# KiCad board SparkFun_BMV080_panelized.kicad_pcb
title: SparkFun Particulate Matter Sensor - BMV080; date: 2024-08-20; rev: v01; company: SparkFun Electronics; note: Designed by: Pete Lewis

Outline 160.98 x 132 mm; copper layers: Top, Bottom. Coordinates in mm from the lower left corner of the outline.
Outline path: 0,132 160.98,132 160.98,0 0,0 0,132 ; 6.35,125.65 154.63,125.65 154.63,6.35 6.35,6.35 6.35,125.65 ; 6.85,125.15 30.98,125.15 30.98,112.45 6.85,112.45 6.85,125.15 ; 6.85,111.95 30.98,111.95 30.98,99.25 6.85,99.25 6.85,111.95 ; 6.85,98.75 30.98,98.75 30.98,86.05 6.85,86.05 6.85,98.75 ; 6.85,85.55 30.98,85.55 30.98,72.85 6.85,72.85 6.85,85.55 ; 6.85,72.35 30.98,72.35 30.98,59.65 6.85,59.65 6.85,72.35 ; 6.85,59.15 30.98,59.15 30.98,46.45 6.85,46.45 6.85,59.15 ; 6.85,45.95 30.98,45.95 30.98,33.25 6.85,33.25 6.85,45.95 ; 6.85,32.75 30.98,32.75 30.98,20.05 6.85,20.05 6.85,32.75 ; 6.85,19.55 30.98,19.55 30.98,6.85 6.85,6.85 6.85,19.55 ; 31.48,125.15 55.61,125.15 55.61,112.45 31.48,112.45 31.48,125.15 ; 31.48,111.95 55.61,111.95 55.61,99.25 31.48,99.25 31.48,111.95 ; 31.48,98.75 55.61,98.75 55.61,86.05 31.48,86.05 31.48,98.75 ; 31.48,85.55 55.61,85.55 55.61,72.85 31.48,72.85 31.48,85.55 ; 31.48,72.35 55.61,72.35 55.61,59.65 31.48,59.65 31.48,72.35 ; 31.48,59.15 55.61,59.15 55.61,46.45 31.48,46.45 31.48,59.15 ; 31.48,45.95 55.61,45.95 55.61,33.25 31.48,33.25 31.48,45.95 ; 31.48,32.75 55.61,32.75 55.61,20.05 31.48,20.05 31.48,32.75 ; 31.48,19.55 55.61,19.55 55.61,6.85 31.48,6.85 31.48,19.55 ; 56.11,125.15 80.24,125.15 80.24,112.45 56.11,112.45 56.11,125.15 ; 56.11,111.95 80.24,111.95 80.24,99.25 56.11,99.25 56.11,111.95 ; 56.11,98.75 80.24,98.75 80.24,86.05 56.11,86.05 56.11,98.75 ; 56.11,85.55 80.24,85.55 80.24,72.85 56.11,72.85 56.11,85.55 ; 56.11,72.35 80.24,72.35 80.24,59.65 56.11,59.65 56.11,72.35 ; 56.11,59.15 80.24,59.15 80.24,46.45 56.11,46.45 56.11,59.15 ; 56.11,45.95 80.24,45.95 80.24,33.25 56.11,33.25 56.11,45.95 ; 56.11,32.75 80.24,32.75 80.24,20.05 56.11,20.05 56.11,32.75 ; 56.11,19.55 80.24,19.55 80.24,6.85 56.11,6.85 56.11,19.55 ; 80.74,125.15 104.87,125.15 104.87,112.45 80.74,112.45 80.74,125.15 ; 80.74,111.95 104.87,111.95 104.87,99.25 80.74,99.25 80.74,111.95 ; 80.74,98.75 104.87,98.75 104.87,86.05 80.74,86.05 80.74,98.75 ; 80.74,85.55 104.87,85.55 104.87,72.85 80.74,72.85 80.74,85.55 ; 80.74,72.35 104.87,72.35 104.87,59.65 80.74,59.65 80.74,72.35 ; 80.74,59.15 104.87,59.15 104.87,46.45 80.74,46.45 80.74,59.15 ; 80.74,45.95 104.87,45.95 104.87,33.25 80.74,33.25 80.74,45.95 ; 80.74,32.75 104.87,32.75 104.87,20.05 80.74,20.05 80.74,32.75 ; 80.74,19.55 104.87,19.55 104.87,6.85 80.74,6.85 80.74,19.55 ; 105.37,125.15 129.5,125.15 129.5,112.45 105.37,112.45 105.37,125.15 ; 105.37,111.95 129.5,111.95 129.5,99.25 105.37,99.25 105.37,111.95 ; 105.37,98.75 129.5,98.75 129.5,86.05 105.37,86.05 105.37,98.75 ; 105.37,85.55 129.5,85.55 129.5,72.85 105.37,72.85 105.37,85.55 ; 105.37,72.35 129.5,72.35 129.5,59.65 105.37,59.65 105.37,72.35 ; 105.37,59.15 129.5,59.15 129.5,46.45 105.37,46.45 105.37,59.15 ; 105.37,45.95 129.5,45.95 129.5,33.25 105.37,33.25 105.37,45.95 ; 105.37,32.75 129.5,32.75 129.5,20.05 105.37,20.05 105.37,32.75 ; 105.37,19.55 129.5,19.55 129.5,6.85 105.37,6.85 105.37,19.55 ; 130,125.15 154.13,125.15 154.13,112.45 130,112.45 130,125.15 ; 130,111.95 154.13,111.95 154.13,99.25 130,99.25 130,111.95 ; 130,98.75 154.13,98.75 154.13,86.05 130,86.05 130,98.75 ; 130,85.55 154.13,85.55 154.13,72.85 130,72.85 130,85.55 ; 130,72.35 154.13,72.35 154.13,59.65 130,59.65 130,72.35 ; 130,59.15 154.13,59.15 154.13,46.45 130,46.45 130,59.15 ; 130,45.95 154.13,45.95 154.13,33.25 130,33.25 130,45.95 ; 130,32.75 154.13,32.75 154.13,20.05 130,20.05 130,32.75 ; 130,19.55 154.13,19.55 154.13,6.85 130,6.85 130,19.55
Stack: Top 0.035mm / dielectric 0.73mm FR4 er 4.5 / Bottom 0.035mm

## Placement (name value [footprint] x y rotation side)
C1  2.2uF  [C_0402_1005Metric]  8.15 121.7 90 top
C1#2  2.2uF  [C_0402_1005Metric]  57.41 16.1 90 top
C1#3  2.2uF  [C_0402_1005Metric]  8.15 42.5 90 top
C1#4  2.2uF  [C_0402_1005Metric]  32.78 42.5 90 top
C1#5  2.2uF  [C_0402_1005Metric]  32.78 82.1 90 top
C1#6  2.2uF  [C_0402_1005Metric]  8.15 95.3 90 top
C1#7  2.2uF  [C_0402_1005Metric]  32.78 95.3 90 top
C1#8  2.2uF  [C_0402_1005Metric]  8.15 29.3 90 top
C1#9  2.2uF  [C_0402_1005Metric]  8.15 55.7 90 top
C1#10  2.2uF  [C_0402_1005Metric]  8.15 82.1 90 top
C1#11  2.2uF  [C_0402_1005Metric]  32.78 16.1 90 top
C1#12  2.2uF  [C_0402_1005Metric]  32.78 29.3 90 top
C1#13  2.2uF  [C_0402_1005Metric]  32.78 55.7 90 top
C1#14  2.2uF  [C_0402_1005Metric]  8.15 68.9 90 top
C1#15  2.2uF  [C_0402_1005Metric]  8.15 108.5 90 top
C1#16  2.2uF  [C_0402_1005Metric]  32.78 68.9 90 top
C1#17  2.2uF  [C_0402_1005Metric]  32.78 108.5 90 top
C1#18  2.2uF  [C_0402_1005Metric]  32.78 121.7 90 top
C1#19  2.2uF  [C_0402_1005Metric]  57.41 55.7 90 top
C1#20  2.2uF  [C_0402_1005Metric]  57.41 29.3 90 top
C1#21  2.2uF  [C_0402_1005Metric]  82.04 82.1 90 top
C1#22  2.2uF  [C_0402_1005Metric]  82.04 121.7 90 top
C1#23  2.2uF  [C_0402_1005Metric]  106.67 68.9 90 top
C1#24  2.2uF  [C_0402_1005Metric]  82.04 29.3 90 top
C1#25  2.2uF  [C_0402_1005Metric]  57.41 42.5 90 top
C1#26  2.2uF  [C_0402_1005Metric]  82.04 16.1 90 top
C1#27  2.2uF  [C_0402_1005Metric]  57.41 68.9 90 top
C1#28  2.2uF  [C_0402_1005Metric]  57.41 121.7 90 top
C1#29  2.2uF  [C_0402_1005Metric]  82.04 42.5 90 top
C1#30  2.2uF  [C_0402_1005Metric]  82.04 68.9 90 top
C1#31  2.2uF  [C_0402_1005Metric]  82.04 108.5 90 top
C1#32  2.2uF  [C_0402_1005Metric]  57.41 95.3 90 top
C1#33  2.2uF  [C_0402_1005Metric]  57.41 108.5 90 top
C1#34  2.2uF  [C_0402_1005Metric]  106.67 16.1 90 top
C1#35  2.2uF  [C_0402_1005Metric]  106.67 29.3 90 top
C1#36  2.2uF  [C_0402_1005Metric]  106.67 55.7 90 top
C1#37  2.2uF  [C_0402_1005Metric]  57.41 82.1 90 top
C1#38  2.2uF  [C_0402_1005Metric]  82.04 55.7 90 top
C1#39  2.2uF  [C_0402_1005Metric]  82.04 95.3 90 top
C1#40  2.2uF  [C_0402_1005Metric]  106.67 42.5 90 top
C1#41  2.2uF  [C_0402_1005Metric]  131.3 95.3 90 top
C1#42  2.2uF  [C_0402_1005Metric]  131.3 16.1 90 top
C1#43  2.2uF  [C_0402_1005Metric]  131.3 82.1 90 top
C1#44  2.2uF  [C_0402_1005Metric]  131.3 108.5 90 top
C1#45  2.2uF  [C_0402_1005Metric]  106.67 82.1 90 top
C1#46  2.2uF  [C_0402_1005Metric]  131.3 29.3 90 top
C1#47  2.2uF  [C_0402_1005Metric]  106.67 95.3 90 top
C1#48  2.2uF  [C_0402_1005Metric]  106.67 108.5 90 top
C1#49  2.2uF  [C_0402_1005Metric]  106.67 121.7 90 top
C1#50  2.2uF  [C_0402_1005Metric]  131.3 42.5 90 top
C1#51  2.2uF  [C_0402_1005Metric]  131.3 55.7 90 top
C1#52  2.2uF  [C_0402_1005Metric]  131.3 68.9 90 top
C1#53  2.2uF  [C_0402_1005Metric]  131.3 121.7 90 top
C1#54  2.2uF  [C_0402_1005Metric]  8.15 16.1 90 top
C2  2.2uF  [C_0402_1005Metric]  8.15 13.64 270 top
C2#2  2.2uF  [C_0402_1005Metric]  8.15 26.84 270 top
C2#3  2.2uF  [C_0402_1005Metric]  8.15 40.04 270 top
C2#4  2.2uF  [C_0402_1005Metric]  57.41 13.64 270 top
C2#5  2.2uF  [C_0402_1005Metric]  57.41 40.04 270 top
C2#6  2.2uF  [C_0402_1005Metric]  8.15 79.64 270 top
C2#7  2.2uF  [C_0402_1005Metric]  32.78 66.44 270 top
C2#8  2.2uF  [C_0402_1005Metric]  8.15 53.24 270 top
C2#9  2.2uF  [C_0402_1005Metric]  32.78 79.64 270 top
C2#10  2.2uF  [C_0402_1005Metric]  32.78 92.84 270 top
C2#11  2.2uF  [C_0402_1005Metric]  32.78 13.64 270 top
C2#12  2.2uF  [C_0402_1005Metric]  8.15 66.44 270 top
C2#13  2.2uF  [C_0402_1005Metric]  32.78 119.24 270 top
C2#14  2.2uF  [C_0402_1005Metric]  32.78 53.24 270 top
C2#15  2.2uF  [C_0402_1005Metric]  82.04 66.44 270 top
C2#16  2.2uF  [C_0402_1005Metric]  8.15 119.24 270 top
C2#17  2.2uF  [C_0402_1005Metric]  32.78 106.04 270 top
C2#18  2.2uF  [C_0402_1005Metric]  32.78 26.84 270 top
C2#19  2.2uF  [C_0402_1005Metric]  8.15 106.04 270 top
C2#20  2.2uF  [C_0402_1005Metric]  8.15 92.84 270 top
C2#21  2.2uF  [C_0402_1005Metric]  32.78 40.04 270 top
C2#22  2.2uF  [C_0402_1005Metric]  57.41 26.84 270 top
C2#23  2.2uF  [C_0402_1005Metric]  57.41 66.44 270 top
C2#24  2.2uF  [C_0402_1005Metric]  57.41 92.84 270 top
C2#25  2.2uF  [C_0402_1005Metric]  57.41 119.24 270 top
C2#26  2.2uF  [C_0402_1005Metric]  82.04 26.84 270 top
C2#27  2.2uF  [C_0402_1005Metric]  57.41 53.24 270 top
C2#28  2.2uF  [C_0402_1005Metric]  57.41 106.04 270 top
C2#29  2.2uF  [C_0402_1005Metric]  57.41 79.64 270 top
C2#30  2.2uF  [C_0402_1005Metric]  82.04 40.04 270 top
C2#31  2.2uF  [C_0402_1005Metric]  82.04 13.64 270 top
C2#32  2.2uF  [C_0402_1005Metric]  82.04 53.24 270 top
C2#33  2.2uF  [C_0402_1005Metric]  82.04 92.84 270 top
C2#34  2.2uF  [C_0402_1005Metric]  106.67 79.64 270 top
C2#35  2.2uF  [C_0402_1005Metric]  131.3 26.84 270 top
C2#36  2.2uF  [C_0402_1005Metric]  131.3 53.24 270 top
C2#37  2.2uF  [C_0402_1005Metric]  131.3 92.84 270 top
C2#38  2.2uF  [C_0402_1005Metric]  131.3 119.24 270 top
C2#39  2.2uF  [C_0402_1005Metric]  82.04 119.24 270 top
C2#40  2.2uF  [C_0402_1005Metric]  106.67 106.04 270 top
C2#41  2.2uF  [C_0402_1005Metric]  106.67 66.44 270 top
C2#42  2.2uF  [C_0402_1005Metric]  106.67 13.64 270 top
C2#43  2.2uF  [C_0402_1005Metric]  131.3 13.64 270 top
C2#44  2.2uF  [C_0402_1005Metric]  106.67 119.24 270 top
C2#45  2.2uF  [C_0402_1005Metric]  131.3 66.44 270 top
C2#46  2.2uF  [C_0402_1005Metric]  82.04 106.04 270 top
C2#47  2.2uF  [C_0402_1005Metric]  106.67 40.04 270 top
C2#48  2.2uF  [C_0402_1005Metric]  106.67 53.24 270 top
C2#49  2.2uF  [C_0402_1005Metric]  82.04 79.64 270 top
C2#50  2.2uF  [C_0402_1005Metric]  106.67 26.84 270 top
C2#51  2.2uF  [C_0402_1005Metric]  106.67 92.84 270 top
C2#52  2.2uF  [C_0402_1005Metric]  131.3 40.04 270 top
C2#53  2.2uF  [C_0402_1005Metric]  131.3 79.64 270 top
C2#54  2.2uF  [C_0402_1005Metric]  131.3 106.04 270 top
C3  2.2uF  [C_0402_1005Metric]  14.42 17.9 90 bottom
C3#2  2.2uF  [C_0402_1005Metric]  14.42 57.5 90 bottom
C3#3  2.2uF  [C_0402_1005Metric]  14.42 31.1 90 bottom
C3#4  2.2uF  [C_0402_1005Metric]  14.42 44.3 90 bottom
C3#5  2.2uF  [C_0402_1005Metric]  14.42 110.3 90 bottom
C3#6  2.2uF  [C_0402_1005Metric]  14.42 123.5 90 bottom
C3#7  2.2uF  [C_0402_1005Metric]  39.05 17.9 90 bottom
C3#8  2.2uF  [C_0402_1005Metric]  63.68 70.7 90 bottom
C3#9  2.2uF  [C_0402_1005Metric]  39.05 31.1 90 bottom
C3#10  2.2uF  [C_0402_1005Metric]  14.42 83.9 90 bottom
C3#11  2.2uF  [C_0402_1005Metric]  14.42 97.1 90 bottom
C3#12  2.2uF  [C_0402_1005Metric]  39.05 110.3 90 bottom
C3#13  2.2uF  [C_0402_1005Metric]  39.05 97.1 90 bottom
C3#14  2.2uF  [C_0402_1005Metric]  39.05 44.3 90 bottom
C3#15  2.2uF  [C_0402_1005Metric]  39.05 70.7 90 bottom
C3#16  2.2uF  [C_0402_1005Metric]  39.05 83.9 90 bottom
C3#17  2.2uF  [C_0402_1005Metric]  63.68 17.9 90 bottom
C3#18  2.2uF  [C_0402_1005Metric]  63.68 57.5 90 bottom
C3#19  2.2uF  [C_0402_1005Metric]  63.68 31.1 90 bottom
C3#20  2.2uF  [C_0402_1005Metric]  63.68 83.9 90 bottom
C3#21  2.2uF  [C_0402_1005Metric]  14.42 70.7 90 bottom
C3#22  2.2uF  [C_0402_1005Metric]  39.05 57.5 90 bottom
C3#23  2.2uF  [C_0402_1005Metric]  39.05 123.5 90 bottom
C3#24  2.2uF  [C_0402_1005Metric]  63.68 44.3 90 bottom
C3#25  2.2uF  [C_0402_1005Metric]  88.31 31.1 90 bottom
C3#26  2.2uF  [C_0402_1005Metric]  88.31 110.3 90 bottom
C3#27  2.2uF  [C_0402_1005Metric]  63.68 110.3 90 bottom
C3#28  2.2uF  [C_0402_1005Metric]  88.31 57.5 90 bottom
C3#29  2.2uF  [C_0402_1005Metric]  88.31 70.7 90 bottom
C3#30  2.2uF  [C_0402_1005Metric]  88.31 17.9 90 bottom
C3#31  2.2uF  [C_0402_1005Metric]  63.68 97.1 90 bottom
C3#32  2.2uF  [C_0402_1005Metric]  88.31 83.9 90 bottom
C3#33  2.2uF  [C_0402_1005Metric]  88.31 123.5 90 bottom
C3#34  2.2uF  [C_0402_1005Metric]  112.94 17.9 90 bottom
C3#35  2.2uF  [C_0402_1005Metric]  112.94 31.1 90 bottom
C3#36  2.2uF  [C_0402_1005Metric]  112.94 44.3 90 bottom
C3#37  2.2uF  [C_0402_1005Metric]  112.94 57.5 90 bottom
C3#38  2.2uF  [C_0402_1005Metric]  112.94 70.7 90 bottom
C3#39  2.2uF  [C_0402_1005Metric]  112.94 83.9 90 bottom
C3#40  2.2uF  [C_0402_1005Metric]  63.68 123.5 90 bottom
C3#41  2.2uF  [C_0402_1005Metric]  88.31 44.3 90 bottom
C3#42  2.2uF  [C_0402_1005Metric]  88.31 97.1 90 bottom
C3#43  2.2uF  [C_0402_1005Metric]  112.94 97.1 90 bottom
C3#44  2.2uF  [C_0402_1005Metric]  137.57 44.3 90 bottom
C3#45  2.2uF  [C_0402_1005Metric]  137.57 83.9 90 bottom
C3#46  2.2uF  [C_0402_1005Metric]  112.94 110.3 90 bottom
C3#47  2.2uF  [C_0402_1005Metric]  112.94 123.5 90 bottom
C3#48  2.2uF  [C_0402_1005Metric]  137.57 97.1 90 bottom
C3#49  2.2uF  [C_0402_1005Metric]  137.57 31.1 90 bottom
C3#50  2.2uF  [C_0402_1005Metric]  137.57 17.9 90 bottom
C3#51  2.2uF  [C_0402_1005Metric]  137.57 70.7 90 bottom
C3#52  2.2uF  [C_0402_1005Metric]  137.57 57.5 90 bottom
C3#53  2.2uF  [C_0402_1005Metric]  137.57 110.3 90 bottom
C3#54  2.2uF  [C_0402_1005Metric]  137.57 123.5 90 bottom
C4  2.2uF  [C_0402_1005Metric]  13.36 17.89 90 bottom
C4#2  2.2uF  [C_0402_1005Metric]  37.99 97.09 90 bottom
C4#3  2.2uF  [C_0402_1005Metric]  37.99 123.49 90 bottom
C4#4  2.2uF  [C_0402_1005Metric]  13.36 110.29 90 bottom
C4#5  2.2uF  [C_0402_1005Metric]  37.99 17.89 90 bottom
C4#6  2.2uF  [C_0402_1005Metric]  37.99 57.49 90 bottom
C4#7  2.2uF  [C_0402_1005Metric]  37.99 70.69 90 bottom
C4#8  2.2uF  [C_0402_1005Metric]  13.36 97.09 90 bottom
C4#9  2.2uF  [C_0402_1005Metric]  13.36 123.49 90 bottom
C4#10  2.2uF  [C_0402_1005Metric]  13.36 31.09 90 bottom
C4#11  2.2uF  [C_0402_1005Metric]  37.99 31.09 90 bottom
C4#12  2.2uF  [C_0402_1005Metric]  13.36 57.49 90 bottom
C4#13  2.2uF  [C_0402_1005Metric]  13.36 44.29 90 bottom
C4#14  2.2uF  [C_0402_1005Metric]  13.36 70.69 90 bottom
C4#15  2.2uF  [C_0402_1005Metric]  13.36 83.89 90 bottom
C4#16  2.2uF  [C_0402_1005Metric]  37.99 83.89 90 bottom
C4#17  2.2uF  [C_0402_1005Metric]  37.99 44.29 90 bottom
C4#18  2.2uF  [C_0402_1005Metric]  37.99 110.29 90 bottom
C4#19  2.2uF  [C_0402_1005Metric]  62.62 17.89 90 bottom
C4#20  2.2uF  [C_0402_1005Metric]  62.62 31.09 90 bottom
C4#21  2.2uF  [C_0402_1005Metric]  62.62 44.29 90 bottom
C4#22  2.2uF  [C_0402_1005Metric]  62.62 57.49 90 bottom
C4#23  2.2uF  [C_0402_1005Metric]  62.62 70.69 90 bottom
C4#24  2.2uF  [C_0402_1005Metric]  111.88 57.49 90 bottom
C4#25  2.2uF  [C_0402_1005Metric]  111.88 31.09 90 bottom
C4#26  2.2uF  [C_0402_1005Metric]  62.62 123.49 90 bottom
C4#27  2.2uF  [C_0402_1005Metric]  87.25 57.49 90 bottom
C4#28  2.2uF  [C_0402_1005Metric]  87.25 70.69 90 bottom
C4#29  2.2uF  [C_0402_1005Metric]  62.62 83.89 90 bottom
C4#30  2.2uF  [C_0402_1005Metric]  87.25 123.49 90 bottom
C4#31  2.2uF  [C_0402_1005Metric]  62.62 110.29 90 bottom
C4#32  2.2uF  [C_0402_1005Metric]  87.25 44.29 90 bottom
C4#33  2.2uF  [C_0402_1005Metric]  111.88 44.29 90 bottom
C4#34  2.2uF  [C_0402_1005Metric]  111.88 17.89 90 bottom
C4#35  2.2uF  [C_0402_1005Metric]  62.62 97.09 90 bottom
C4#36  2.2uF  [C_0402_1005Metric]  87.25 17.89 90 bottom
C4#37  2.2uF  [C_0402_1005Metric]  87.25 83.89 90 bottom
C4#38  2.2uF  [C_0402_1005Metric]  87.25 110.29 90 bottom
C4#39  2.2uF  [C_0402_1005Metric]  136.51 70.69 90 bottom
C4#40  2.2uF  [C_0402_1005Metric]  87.25 31.09 90 bottom
C4#41  2.2uF  [C_0402_1005Metric]  87.25 97.09 90 bottom
C4#42  2.2uF  [C_0402_1005Metric]  111.88 97.09 90 bottom
C4#43  2.2uF  [C_0402_1005Metric]  136.51 17.89 90 bottom
C4#44  2.2uF  [C_0402_1005Metric]  111.88 123.49 90 bottom
C4#45  2.2uF  [C_0402_1005Metric]  136.51 57.49 90 bottom
C4#46  2.2uF  [C_0402_1005Metric]  111.88 83.89 90 bottom
C4#47  2.2uF  [C_0402_1005Metric]  136.51 83.89 90 bottom
C4#48  2.2uF  [C_0402_1005Metric]  136.51 44.29 90 bottom
C4#49  2.2uF  [C_0402_1005Metric]  111.88 70.69 90 bottom
C4#50  2.2uF  [C_0402_1005Metric]  111.88 110.29 90 bottom
C4#51  2.2uF  [C_0402_1005Metric]  136.51 31.09 90 bottom
C4#52  2.2uF  [C_0402_1005Metric]  136.51 123.49 90 bottom
C4#53  2.2uF  [C_0402_1005Metric]  136.51 97.09 90 bottom
C4#54  2.2uF  [C_0402_1005Metric]  136.51 110.29 90 bottom
C5  10uF  [C_0603_1608Metric]  15.69 70.24 90 bottom
C5#2  10uF  [C_0603_1608Metric]  114.21 96.64 90 bottom
C5#3  10uF  [C_0603_1608Metric]  15.69 17.44 90 bottom
C5#4  10uF  [C_0603_1608Metric]  15.69 43.84 90 bottom
C5#5  10uF  [C_0603_1608Metric]  15.69 30.64 90 bottom
C5#6  10uF  [C_0603_1608Metric]  15.69 57.04 90 bottom
C5#7  10uF  [C_0603_1608Metric]  40.32 70.24 90 bottom
C5#8  10uF  [C_0603_1608Metric]  40.32 109.84 90 bottom
C5#9  10uF  [C_0603_1608Metric]  40.32 30.64 90 bottom
C5#10  10uF  [C_0603_1608Metric]  15.69 109.84 90 bottom
C5#11  10uF  [C_0603_1608Metric]  15.69 123.04 90 bottom
C5#12  10uF  [C_0603_1608Metric]  40.32 17.44 90 bottom
C5#13  10uF  [C_0603_1608Metric]  15.69 83.44 90 bottom
C5#14  10uF  [C_0603_1608Metric]  40.32 43.84 90 bottom
C5#15  10uF  [C_0603_1608Metric]  15.69 96.64 90 bottom
C5#16  10uF  [C_0603_1608Metric]  40.32 57.04 90 bottom
C5#17  10uF  [C_0603_1608Metric]  40.32 83.44 90 bottom
C5#18  10uF  [C_0603_1608Metric]  40.32 96.64 90 bottom
C5#19  10uF  [C_0603_1608Metric]  64.95 43.84 90 bottom
C5#20  10uF  [C_0603_1608Metric]  64.95 57.04 90 bottom
C5#21  10uF  [C_0603_1608Metric]  89.58 30.64 90 bottom
C5#22  10uF  [C_0603_1608Metric]  40.32 123.04 90 bottom
C5#23  10uF  [C_0603_1608Metric]  64.95 17.44 90 bottom
C5#24  10uF  [C_0603_1608Metric]  64.95 83.44 90 bottom
C5#25  10uF  [C_0603_1608Metric]  64.95 70.24 90 bottom
C5#26  10uF  [C_0603_1608Metric]  64.95 96.64 90 bottom
C5#27  10uF  [C_0603_1608Metric]  64.95 109.84 90 bottom
C5#28  10uF  [C_0603_1608Metric]  89.58 17.44 90 bottom
C5#29  10uF  [C_0603_1608Metric]  64.95 30.64 90 bottom
C5#30  10uF  [C_0603_1608Metric]  64.95 123.04 90 bottom
C5#31  10uF  [C_0603_1608Metric]  114.21 17.44 90 bottom
C5#32  10uF  [C_0603_1608Metric]  114.21 57.04 90 bottom
C5#33  10uF  [C_0603_1608Metric]  89.58 96.64 90 bottom
C5#34  10uF  [C_0603_1608Metric]  89.58 123.04 90 bottom
C5#35  10uF  [C_0603_1608Metric]  89.58 57.04 90 bottom
C5#36  10uF  [C_0603_1608Metric]  89.58 70.24 90 bottom
C5#37  10uF  [C_0603_1608Metric]  114.21 70.24 90 bottom
C5#38  10uF  [C_0603_1608Metric]  114.21 83.44 90 bottom
C5#39  10uF  [C_0603_1608Metric]  114.21 43.84 90 bottom
C5#40  10uF  [C_0603_1608Metric]  114.21 109.84 90 bottom
C5#41  10uF  [C_0603_1608Metric]  138.84 17.44 90 bottom
C5#42  10uF  [C_0603_1608Metric]  89.58 43.84 90 bottom
C5#43  10uF  [C_0603_1608Metric]  114.21 123.04 90 bottom
C5#44  10uF  [C_0603_1608Metric]  138.84 30.64 90 bottom
C5#45  10uF  [C_0603_1608Metric]  89.58 83.44 90 bottom
C5#46  10uF  [C_0603_1608Metric]  89.58 109.84 90 bottom
C5#47  10uF  [C_0603_1608Metric]  138.84 43.84 90 bottom
C5#48  10uF  [C_0603_1608Metric]  114.21 30.64 90 bottom
C5#49  10uF  [C_0603_1608Metric]  138.84 123.04 90 bottom
C5#50  10uF  [C_0603_1608Metric]  138.84 109.84 90 bottom
C5#51  10uF  [C_0603_1608Metric]  138.84 70.24 90 bottom
C5#52  10uF  [C_0603_1608Metric]  138.84 83.44 90 bottom
C5#53  10uF  [C_0603_1608Metric]  138.84 57.04 90 bottom
C5#54  10uF  [C_0603_1608Metric]  138.84 96.64 90 bottom
FID1  Fiducial_0.5mm  [Fiducial_0.5mm_Mask1mm]  7.48 7.48 270 bottom
FID1#2  Fiducial_0.5mm  [Fiducial_0.5mm_Mask1mm]  7.48 86.69 270 bottom
FID1#3  Fiducial_0.5mm  [Fiducial_0.5mm_Mask1mm]  32.11 7.48 270 bottom
FID1#4  Fiducial_0.5mm  [Fiducial_0.5mm_Mask1mm]  32.11 73.48 270 bottom
FID1#5  Fiducial_0.5mm  [Fiducial_0.5mm_Mask1mm]  7.48 73.48 270 bottom
FID1#6  Fiducial_0.5mm  [Fiducial_0.5mm_Mask1mm]  32.11 33.89 270 bottom
FID1#7  Fiducial_0.5mm  [Fiducial_0.5mm_Mask1mm]  32.11 60.28 270 bottom
FID1#8  Fiducial_0.5mm  [Fiducial_0.5mm_Mask1mm]  7.48 99.88 270 bottom
FID1#9  Fiducial_0.5mm  [Fiducial_0.5mm_Mask1mm]  32.11 47.09 270 bottom
FID1#10  Fiducial_0.5mm  [Fiducial_0.5mm_Mask1mm]  7.48 20.69 270 bottom
FID1#11  Fiducial_0.5mm  [Fiducial_0.5mm_Mask1mm]  7.48 33.89 270 bottom
FID1#12  Fiducial_0.5mm  [Fiducial_0.5mm_Mask1mm]  7.48 47.09 270 bottom
FID1#13  Fiducial_0.5mm  [Fiducial_0.5mm_Mask1mm]  7.48 60.28 270 bottom
FID1#14  Fiducial_0.5mm  [Fiducial_0.5mm_Mask1mm]  7.48 113.08 270 bottom
FID1#15  Fiducial_0.5mm  [Fiducial_0.5mm_Mask1mm]  32.11 20.69 270 bottom
FID1#16  Fiducial_0.5mm  [Fiducial_0.5mm_Mask1mm]  56.75 47.09 270 bottom
FID1#17  Fiducial_0.5mm  [Fiducial_0.5mm_Mask1mm]  56.75 113.08 270 bottom
FID1#18  Fiducial_0.5mm  [Fiducial_0.5mm_Mask1mm]  32.11 86.69 270 bottom
FID1#19  Fiducial_0.5mm  [Fiducial_0.5mm_Mask1mm]  56.75 33.89 270 bottom
FID1#20  Fiducial_0.5mm  [Fiducial_0.5mm_Mask1mm]  56.75 60.28 270 bottom
FID1#21  Fiducial_0.5mm  [Fiducial_0.5mm_Mask1mm]  56.75 73.48 270 bottom
FID1#22  Fiducial_0.5mm  [Fiducial_0.5mm_Mask1mm]  56.75 99.88 270 bottom
FID1#23  Fiducial_0.5mm  [Fiducial_0.5mm_Mask1mm]  81.38 73.48 270 bottom
FID1#24  Fiducial_0.5mm  [Fiducial_0.5mm_Mask1mm]  81.38 47.09 270 bottom
FID1#25  Fiducial_0.5mm  [Fiducial_0.5mm_Mask1mm]  56.75 7.48 270 bottom
FID1#26  Fiducial_0.5mm  [Fiducial_0.5mm_Mask1mm]  81.38 86.69 270 bottom
FID1#27  Fiducial_0.5mm  [Fiducial_0.5mm_Mask1mm]  81.38 99.88 270 bottom
FID1#28  Fiducial_0.5mm  [Fiducial_0.5mm_Mask1mm]  32.11 99.88 270 bottom
FID1#29  Fiducial_0.5mm  [Fiducial_0.5mm_Mask1mm]  81.38 33.89 270 bottom
FID1#30  Fiducial_0.5mm  [Fiducial_0.5mm_Mask1mm]  81.38 60.28 270 bottom
FID1#31  Fiducial_0.5mm  [Fiducial_0.5mm_Mask1mm]  32.11 113.08 270 bottom
FID1#32  Fiducial_0.5mm  [Fiducial_0.5mm_Mask1mm]  81.38 7.48 270 bottom
FID1#33  Fiducial_0.5mm  [Fiducial_0.5mm_Mask1mm]  56.75 20.69 270 bottom
FID1#34  Fiducial_0.5mm  [Fiducial_0.5mm_Mask1mm]  56.75 86.69 270 bottom
FID1#35  Fiducial_0.5mm  [Fiducial_0.5mm_Mask1mm]  81.38 20.69 270 bottom
FID1#36  Fiducial_0.5mm  [Fiducial_0.5mm_Mask1mm]  130.63 33.89 270 bottom
FID1#37  Fiducial_0.5mm  [Fiducial_0.5mm_Mask1mm]  106.01 33.89 270 bottom
FID1#38  Fiducial_0.5mm  [Fiducial_0.5mm_Mask1mm]  130.63 7.48 270 bottom
FID1#39  Fiducial_0.5mm  [Fiducial_0.5mm_Mask1mm]  106.01 113.08 270 bottom
FID1#40  Fiducial_0.5mm  [Fiducial_0.5mm_Mask1mm]  81.38 113.08 270 bottom
FID1#41  Fiducial_0.5mm  [Fiducial_0.5mm_Mask1mm]  130.63 73.48 270 bottom
FID1#42  Fiducial_0.5mm  [Fiducial_0.5mm_Mask1mm]  130.63 99.88 270 bottom
FID1#43  Fiducial_0.5mm  [Fiducial_0.5mm_Mask1mm]  106.01 99.88 270 bottom
FID1#44  Fiducial_0.5mm  [Fiducial_0.5mm_Mask1mm]  130.63 86.69 270 bottom
FID1#45  Fiducial_0.5mm  [Fiducial_0.5mm_Mask1mm]  130.63 60.28 270 bottom
FID1#46  Fiducial_0.5mm  [Fiducial_0.5mm_Mask1mm]  130.63 113.08 270 bottom
FID1#47  Fiducial_0.5mm  [Fiducial_0.5mm_Mask1mm]  130.63 20.69 270 bottom
FID1#48  Fiducial_0.5mm  [Fiducial_0.5mm_Mask1mm]  106.01 60.28 270 bottom
FID1#49  Fiducial_0.5mm  [Fiducial_0.5mm_Mask1mm]  106.01 73.48 270 bottom
FID1#50  Fiducial_0.5mm  [Fiducial_0.5mm_Mask1mm]  106.01 86.69 270 bottom
FID1#51  Fiducial_0.5mm  [Fiducial_0.5mm_Mask1mm]  106.01 7.48 270 bottom
FID1#52  Fiducial_0.5mm  [Fiducial_0.5mm_Mask1mm]  106.01 20.69 270 bottom
FID1#53  Fiducial_0.5mm  [Fiducial_0.5mm_Mask1mm]  106.01 47.09 270 bottom
FID1#54  Fiducial_0.5mm  [Fiducial_0.5mm_Mask1mm]  130.63 47.09 270 bottom
FID2  Fiducial_0.5mm  [Fiducial_0.5mm_Mask1mm]  54.98 7.48 90 top
FID2#2  Fiducial_0.5mm  [Fiducial_0.5mm_Mask1mm]  30.35 47.09 90 top
FID2#3  Fiducial_0.5mm  [Fiducial_0.5mm_Mask1mm]  30.35 60.28 90 top
FID2#4  Fiducial_0.5mm  [Fiducial_0.5mm_Mask1mm]  30.35 20.69 90 top
FID2#5  Fiducial_0.5mm  [Fiducial_0.5mm_Mask1mm]  30.35 73.48 90 top
FID2#6  Fiducial_0.5mm  [Fiducial_0.5mm_Mask1mm]  30.35 99.88 90 top
FID2#7  Fiducial_0.5mm  [Fiducial_0.5mm_Mask1mm]  30.35 33.89 90 top
FID2#8  Fiducial_0.5mm  [Fiducial_0.5mm_Mask1mm]  30.35 86.69 90 top
FID2#9  Fiducial_0.5mm  [Fiducial_0.5mm_Mask1mm]  30.35 113.08 90 top
FID2#10  Fiducial_0.5mm  [Fiducial_0.5mm_Mask1mm]  54.98 47.09 90 top
FID2#11  Fiducial_0.5mm  [Fiducial_0.5mm_Mask1mm]  54.98 60.28 90 top
FID2#12  Fiducial_0.5mm  [Fiducial_0.5mm_Mask1mm]  79.61 113.08 90 top
FID2#13  Fiducial_0.5mm  [Fiducial_0.5mm_Mask1mm]  104.23 33.89 90 top
FID2#14  Fiducial_0.5mm  [Fiducial_0.5mm_Mask1mm]  104.23 60.28 90 top
FID2#15  Fiducial_0.5mm  [Fiducial_0.5mm_Mask1mm]  79.61 20.69 90 top
FID2#16  Fiducial_0.5mm  [Fiducial_0.5mm_Mask1mm]  79.61 60.28 90 top
FID2#17  Fiducial_0.5mm  [Fiducial_0.5mm_Mask1mm]  104.23 7.48 90 top
FID2#18  Fiducial_0.5mm  [Fiducial_0.5mm_Mask1mm]  54.98 20.69 90 top
FID2#19  Fiducial_0.5mm  [Fiducial_0.5mm_Mask1mm]  54.98 33.89 90 top
FID2#20  Fiducial_0.5mm  [Fiducial_0.5mm_Mask1mm]  79.61 73.48 90 top
FID2#21  Fiducial_0.5mm  [Fiducial_0.5mm_Mask1mm]  79.61 33.89 90 top
FID2#22  Fiducial_0.5mm  [Fiducial_0.5mm_Mask1mm]  54.98 99.88 90 top
FID2#23  Fiducial_0.5mm  [Fiducial_0.5mm_Mask1mm]  79.61 7.48 90 top
FID2#24  Fiducial_0.5mm  [Fiducial_0.5mm_Mask1mm]  79.61 47.09 90 top
FID2#25  Fiducial_0.5mm  [Fiducial_0.5mm_Mask1mm]  54.98 73.48 90 top
FID2#26  Fiducial_0.5mm  [Fiducial_0.5mm_Mask1mm]  79.61 86.69 90 top
FID2#27  Fiducial_0.5mm  [Fiducial_0.5mm_Mask1mm]  54.98 86.69 90 top
FID2#28  Fiducial_0.5mm  [Fiducial_0.5mm_Mask1mm]  54.98 113.08 90 top
FID2#29  Fiducial_0.5mm  [Fiducial_0.5mm_Mask1mm]  79.61 99.88 90 top
FID2#30  Fiducial_0.5mm  [Fiducial_0.5mm_Mask1mm]  104.23 20.69 90 top
FID2#31  Fiducial_0.5mm  [Fiducial_0.5mm_Mask1mm]  104.23 47.09 90 top
FID2#32  Fiducial_0.5mm  [Fiducial_0.5mm_Mask1mm]  153.5 7.48 90 top
FID2#33  Fiducial_0.5mm  [Fiducial_0.5mm_Mask1mm]  104.23 113.08 90 top
FID2#34  Fiducial_0.5mm  [Fiducial_0.5mm_Mask1mm]  128.87 33.89 90 top
FID2#35  Fiducial_0.5mm  [Fiducial_0.5mm_Mask1mm]  128.87 99.88 90 top
FID2#36  Fiducial_0.5mm  [Fiducial_0.5mm_Mask1mm]  153.5 20.69 90 top
FID2#37  Fiducial_0.5mm  [Fiducial_0.5mm_Mask1mm]  153.5 33.89 90 top
FID2#38  Fiducial_0.5mm  [Fiducial_0.5mm_Mask1mm]  153.5 47.09 90 top
FID2#39  Fiducial_0.5mm  [Fiducial_0.5mm_Mask1mm]  128.87 60.28 90 top
FID2#40  Fiducial_0.5mm  [Fiducial_0.5mm_Mask1mm]  128.87 47.09 90 top
FID2#41  Fiducial_0.5mm  [Fiducial_0.5mm_Mask1mm]  104.23 73.48 90 top
FID2#42  Fiducial_0.5mm  [Fiducial_0.5mm_Mask1mm]  128.87 20.69 90 top
FID2#43  Fiducial_0.5mm  [Fiducial_0.5mm_Mask1mm]  128.87 7.48 90 top
FID2#44  Fiducial_0.5mm  [Fiducial_0.5mm_Mask1mm]  128.87 113.08 90 top
FID2#45  Fiducial_0.5mm  [Fiducial_0.5mm_Mask1mm]  104.23 86.69 90 top
FID2#46  Fiducial_0.5mm  [Fiducial_0.5mm_Mask1mm]  104.23 99.88 90 top
FID2#47  Fiducial_0.5mm  [Fiducial_0.5mm_Mask1mm]  128.87 73.48 90 top
FID2#48  Fiducial_0.5mm  [Fiducial_0.5mm_Mask1mm]  128.87 86.69 90 top
FID2#49  Fiducial_0.5mm  [Fiducial_0.5mm_Mask1mm]  153.5 60.28 90 top
FID2#50  Fiducial_0.5mm  [Fiducial_0.5mm_Mask1mm]  153.5 73.48 90 top
FID2#51  Fiducial_0.5mm  [Fiducial_0.5mm_Mask1mm]  153.5 86.69 90 top
FID2#52  Fiducial_0.5mm  [Fiducial_0.5mm_Mask1mm]  153.5 99.88 90 top
FID2#53  Fiducial_0.5mm  [Fiducial_0.5mm_Mask1mm]  153.5 113.08 90 top
FID2#54  Fiducial_0.5mm  [Fiducial_0.5mm_Mask1mm]  30.35 7.48 90 top
FID3  Fiducial_0.5mm  [Fiducial_0.5mm_Mask1mm]  30.35 18.91 270 bottom
FID3#2  Fiducial_0.5mm  [Fiducial_0.5mm_Mask1mm]  30.35 111.31 270 bottom
FID3#3  Fiducial_0.5mm  [Fiducial_0.5mm_Mask1mm]  30.35 32.11 270 bottom
FID3#4  Fiducial_0.5mm  [Fiducial_0.5mm_Mask1mm]  30.35 58.52 270 bottom
FID3#5  Fiducial_0.5mm  [Fiducial_0.5mm_Mask1mm]  30.35 84.91 270 bottom
FID3#6  Fiducial_0.5mm  [Fiducial_0.5mm_Mask1mm]  54.98 111.31 270 bottom
FID3#7  Fiducial_0.5mm  [Fiducial_0.5mm_Mask1mm]  54.98 71.72 270 bottom
FID3#8  Fiducial_0.5mm  [Fiducial_0.5mm_Mask1mm]  30.35 71.72 270 bottom
FID3#9  Fiducial_0.5mm  [Fiducial_0.5mm_Mask1mm]  30.35 98.11 270 bottom
FID3#10  Fiducial_0.5mm  [Fiducial_0.5mm_Mask1mm]  30.35 45.31 270 bottom
FID3#11  Fiducial_0.5mm  [Fiducial_0.5mm_Mask1mm]  30.35 124.52 270 bottom
FID3#12  Fiducial_0.5mm  [Fiducial_0.5mm_Mask1mm]  54.98 32.11 270 bottom
FID3#13  Fiducial_0.5mm  [Fiducial_0.5mm_Mask1mm]  54.98 45.31 270 bottom
FID3#14  Fiducial_0.5mm  [Fiducial_0.5mm_Mask1mm]  54.98 58.52 270 bottom
FID3#15  Fiducial_0.5mm  [Fiducial_0.5mm_Mask1mm]  54.98 84.91 270 bottom
FID3#16  Fiducial_0.5mm  [Fiducial_0.5mm_Mask1mm]  54.98 98.11 270 bottom
FID3#17  Fiducial_0.5mm  [Fiducial_0.5mm_Mask1mm]  54.98 18.91 270 bottom
FID3#18  Fiducial_0.5mm  [Fiducial_0.5mm_Mask1mm]  54.98 124.52 270 bottom
FID3#19  Fiducial_0.5mm  [Fiducial_0.5mm_Mask1mm]  79.61 18.91 270 bottom
FID3#20  Fiducial_0.5mm  [Fiducial_0.5mm_Mask1mm]  79.61 32.11 270 bottom
FID3#21  Fiducial_0.5mm  [Fiducial_0.5mm_Mask1mm]  79.61 45.31 270 bottom
FID3#22  Fiducial_0.5mm  [Fiducial_0.5mm_Mask1mm]  79.61 58.52 270 bottom
FID3#23  Fiducial_0.5mm  [Fiducial_0.5mm_Mask1mm]  79.61 71.72 270 bottom
FID3#24  Fiducial_0.5mm  [Fiducial_0.5mm_Mask1mm]  79.61 84.91 270 bottom
FID3#25  Fiducial_0.5mm  [Fiducial_0.5mm_Mask1mm]  104.23 58.52 270 bottom
FID3#26  Fiducial_0.5mm  [Fiducial_0.5mm_Mask1mm]  104.23 98.11 270 bottom